# Altium PCB higgs.PcbDoc (part 20 of 25) (continued)
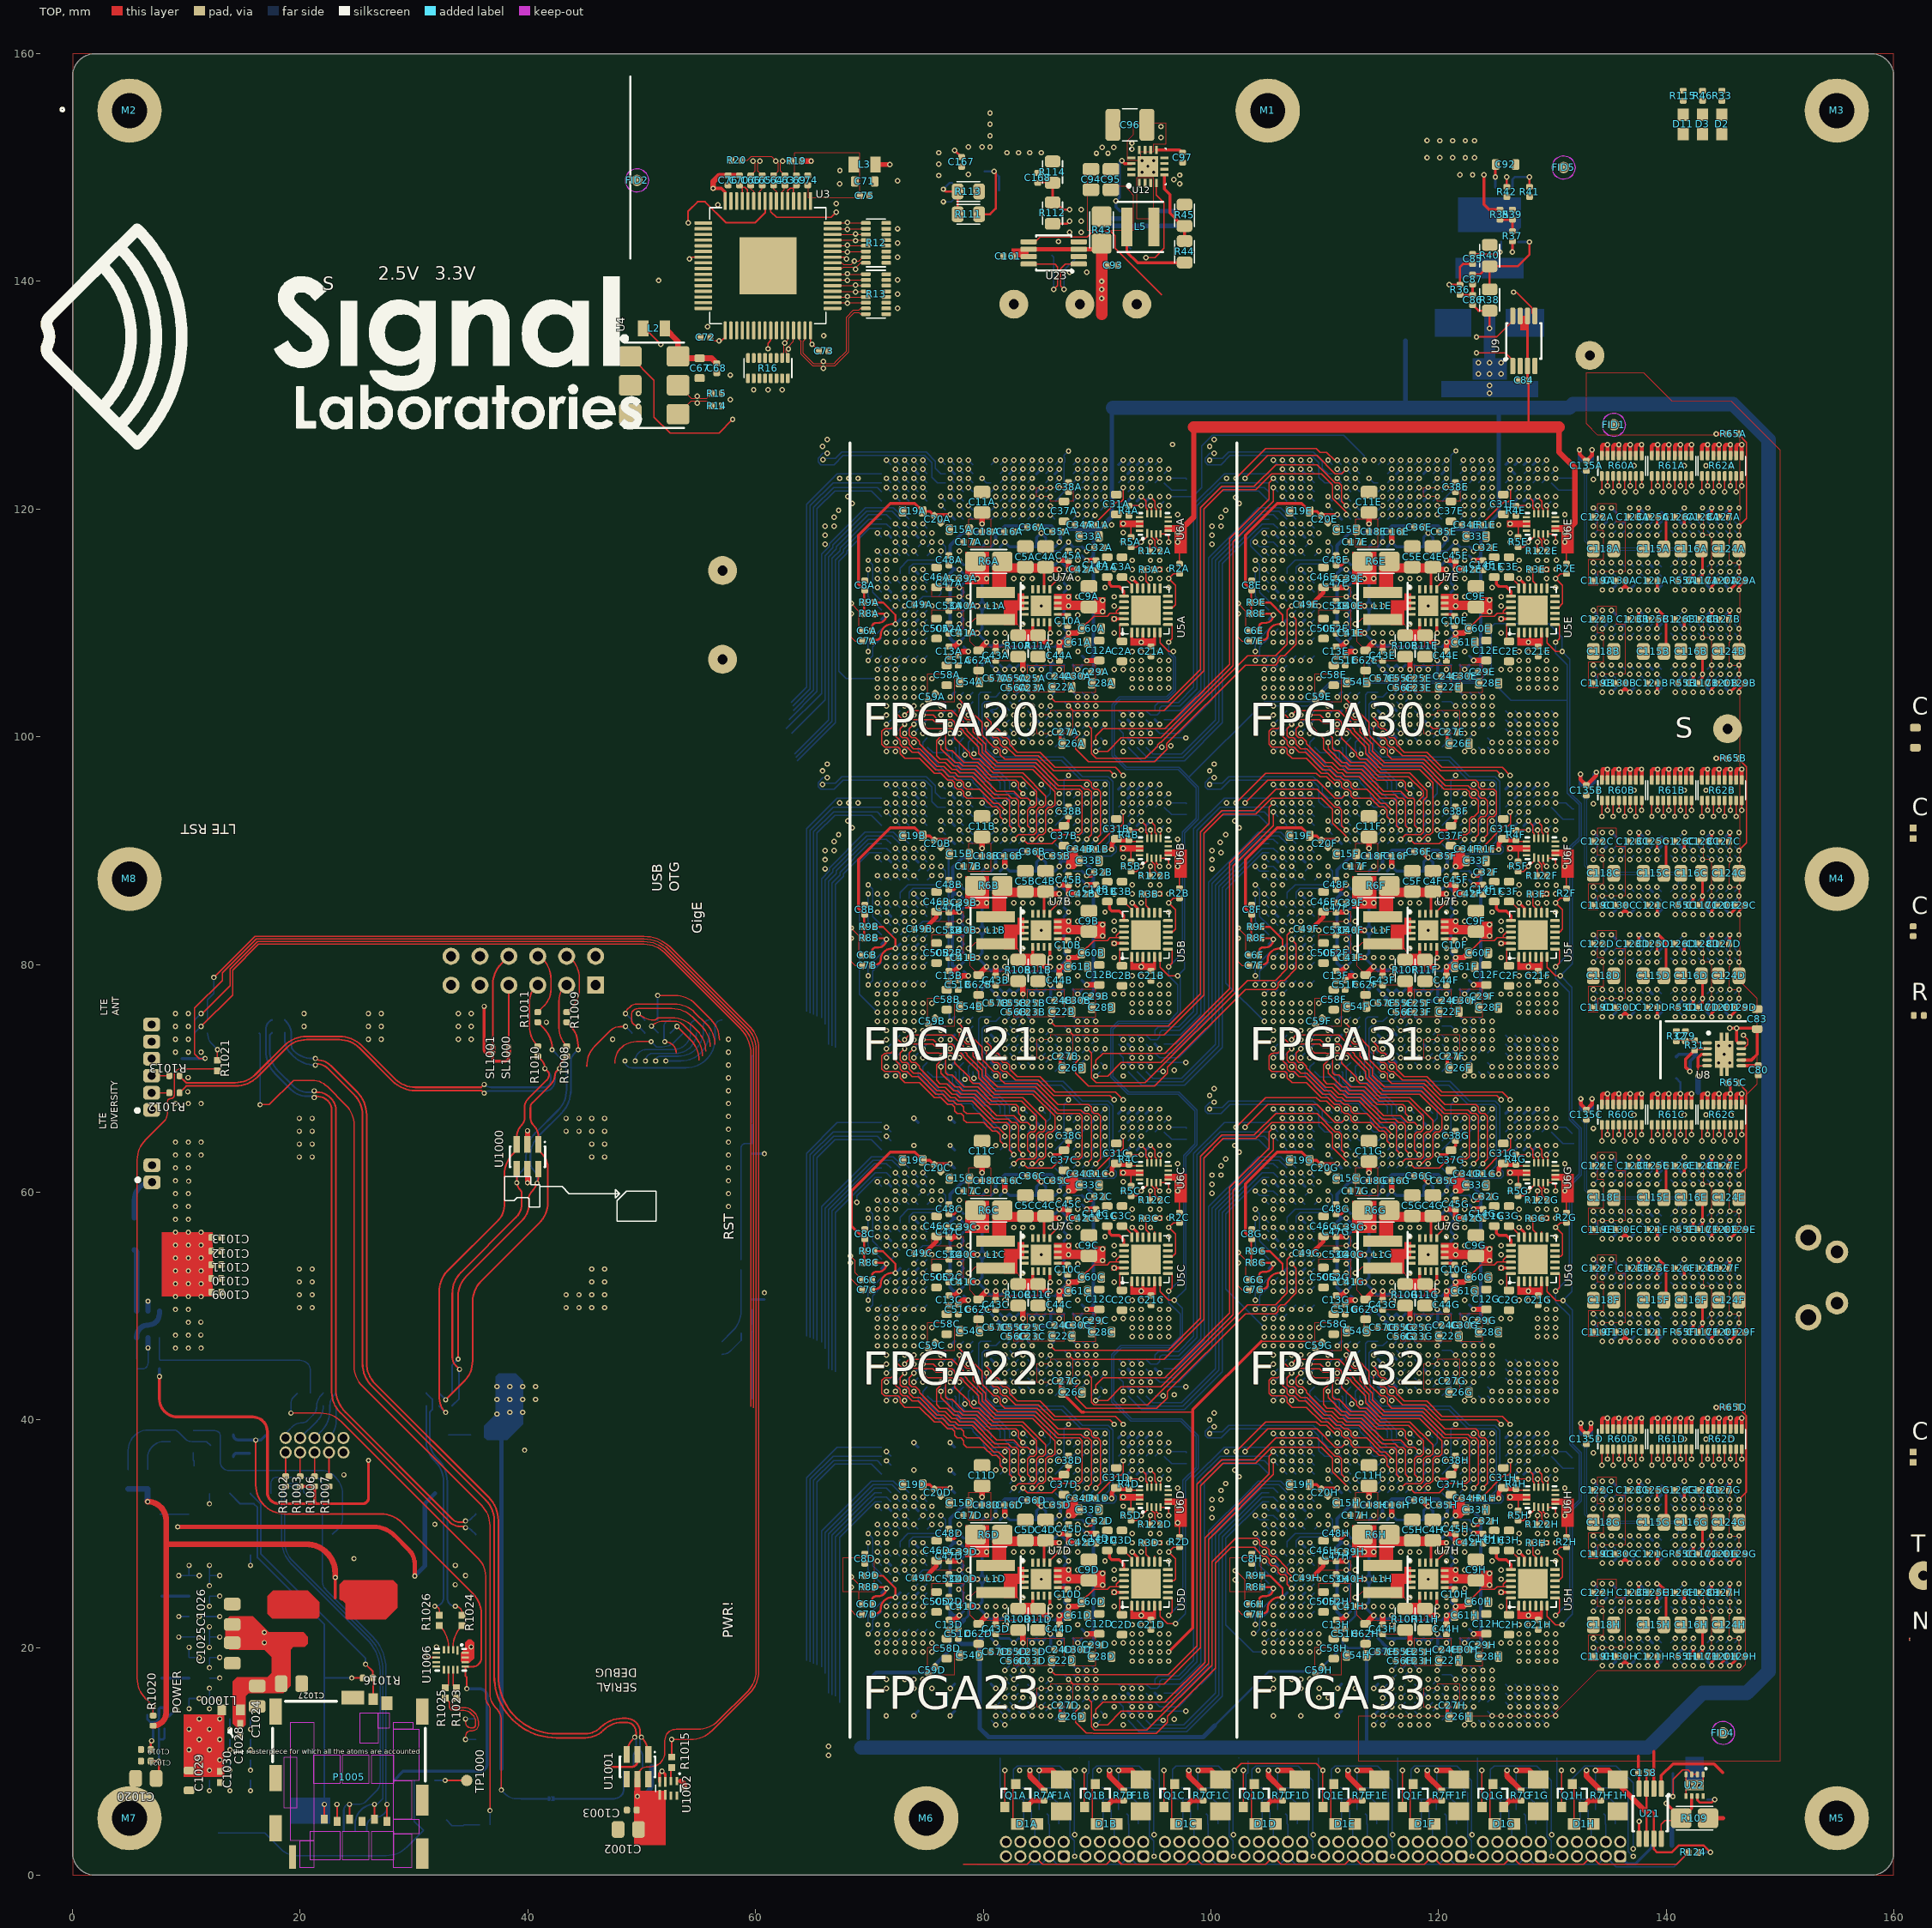
[diagram p0: TOP view]
## Nets (pads, with @x,y where several pads share a name; then routed paths per layer and width w, separated by ;. In a path a pad name is that pad's centre, name@x,y a point inside that pad or via, vN(x,y) a via of type N, cw(c..) or ccw(c..) an arc to the next point about the centre after c; other vN are vias at no path point) (continued)
  BOT w0.102: U1A.Y5@86.3,120.7 87.1,121.5 87.1,121.735 87.105,121.741 87.105,122.071 87.1,122.077 87.1,124.06 87.18,124.141 87.18,124.471 87.1,124.552 87.1,124.7 v1(87.5,125.1)
IL68_FPGA20.LR.G2.D2_N: U1A.W4 | length 0.6
  BOT w0.102: U1A.W4@85.5,121.5 85.881,121.881 v1(85.906,121.881)
IL68_FPGA20.LR.G2.D2_P: U1A.Y4 | length 0.6
  BOT w0.102: U1A.Y4@86.3,121.5 v1(86.706,121.906)
IL68_FPGA20.LR.G2.D3_N: U1A.AC6 | length 0.6
  BOT w0.102: U1A.AC6@88.7,119.9 v1(89.1,120.3)
IL68_FPGA20.LR.G2.D3_P: U1A.AB7 | length 0.6
  BOT w0.102: U1A.AB7@87.9,119.1 v1(88.3,119.5)
IL68_FPGA20.LR.G2.D4_N: U1A.AD7 | length 0.5
  BOT w0.102: U1A.AD7@89.5,119.1 v1(89.831,119.431)
IL68_FPGA20.LR.G2.D4_P: U1A.AC7 | length 0.6
  BOT w0.102: U1A.AC7@88.7,119.1 v1(89.1,119.5)
IL68_FPGA20.LR.G2.S_N: U1A.AB6 | length 0.6
  BOT w0.102: U1A.AB6@87.9,119.9 v1(88.3,120.3)
IL68_FPGA20.LR.G2.S_P: U1A.AB5 | length 0.6
  BOT w0.102: U1A.AB5@87.9,120.7 v1(88.3,121.1)
IL68_FPGA20.LR.G3.D0_N: U1A.AB4 | length 1.4
  BOT w0.102: U1A.AB4@87.9,121.5 88.3,121.9 v1(89.1,121.9)
IL68_FPGA20.LR.G3.D0_P: U1A.AB3 | length 0.6
  BOT w0.102: U1A.AB3@87.9,122.3 v1(88.3,122.7)
IL68_FPGA20.LR.G3.D1_N: U1A.AD4 | length 0.6
  BOT w0.102: U1A.AD4@89.5,121.5 v1(89.9,121.9)
IL68_FPGA20.LR.G3.D1_P: U1A.AC5 | length 0.6
  BOT w0.102: U1A.AC5@88.7,120.7 v1(89.1,121.1)
IL68_FPGA20.LR.G3.D2_N: U1A.Y1 | length 0.6
  BOT w0.102: U1A.Y1@86.3,123.9 86.706,124.306 v1(86.781,124.306)
IL68_FPGA20.LR.G3.D2_P: U1A.W2 | length 0.6
  BOT w0.102: U1A.W2@85.5,123.1 v1(85.9,123.5)
IL68_FPGA20.LR.G3.D3_N: U1A.AE3 | length 0.6
  BOT w0.102: U1A.AE3@90.3,122.3 v1(90.7,122.7)
IL68_FPGA20.LR.G3.D3_P: U1A.AD3 | length 0.6
  BOT w0.102: U1A.AD3@89.5,122.3 v1(89.9,122.7)
IL68_FPGA20.LR.G3.D4_N: U1A.AE2 | length 0.6
  BOT w0.102: U1A.AE2@90.3,123.1 v1(90.7,123.5)
IL68_FPGA20.LR.G3.D4_P: U1A.AC2 | length 0.6
  BOT w0.102: U1A.AC2@88.7,123.1 v1(89.1,123.5)
IL68_FPGA20.LR.G3.S_N: U1A.AB2 | length 0.6
  BOT w0.102: U1A.AB2@87.9,123.1 v1(88.3,123.5)
IL68_FPGA20.LR.G3.S_P: U1A.AC3 | length 0.6
  BOT w0.102: U1A.AC3@88.7,122.3 v1(89.1,122.7)
IL68_FPGA20.LR.VTT: C37A.2 C38A.2 U1A.V4
IL68_FPGA20.TB.G8.D0_N: U1A.AH1 | length 0.6
  BOT w0.254: U1A.AH1@92.7,123.9 v1(93.1,124.3)
IL68_FPGA20.TB.G8.D0_P: U1A.AG1 | length 0.6
  BOT w0.254: U1A.AG1@91.9,123.9 v1(92.3,124.3)
IL68_FPGA20.TB.G8.D1_N: U1A.AK1 | length 0.6
  BOT w0.254: U1A.AK1@94.3,123.9 v1(94.7,124.3)
IL68_FPGA20.TB.G8.D1_P: U1A.AJ1 | length 0.6
  BOT w0.254: U1A.AJ1@93.5,123.9 v1(93.9,124.3)
IL68_FPGA20.TB.G8.D2_N: U1A.AM2 | length 0.6
  BOT w0.102: U1A.AM2@95.9,123.1 v1(96.3,123.5)
IL68_FPGA20.TB.G8.D2_P: U1A.AL1 | length 0.6
  BOT w0.102: U1A.AL1@95.1,123.9 v1(95.5,124.3)
IL68_FPGA20.TB.G8.D3_N: U1A.AH3 | length 0.6
  BOT w0.102: U1A.AH3@92.7,122.3 v1(93.1,122.7)
IL68_FPGA20.TB.G8.D3_P: U1A.AG3 | length 0.6
  BOT w0.102: U1A.AG3@91.9,122.3 v1(92.3,122.7)
IL68_FPGA20.TB.G13.C_N: U1A.AE1 | length 0.6
  BOT w0.102: U1A.AE1@90.3,123.9 v1(90.7,124.3)
IL68_FPGA20.TB.G13.C_P: U1A.AD1 | length 0.6
  BOT w0.102: U1A.AD1@89.5,123.9 v1(89.9,124.3)
IL68_FPGA20.TB.G13.D0_N: U1A.U1 | length 0.6
  BOT w0.102: U1A.U1@83.9,123.9 v1(84.3,124.3)
IL68_FPGA20.TB.G13.D0_P: U1A.T1 | length 0.6
  BOT w0.102: U1A.T1@83.1,123.9 v1(83.5,124.3)
IL68_FPGA20.TB.G13.D1_N: U1A.W1 | length 0.6
  BOT w0.102: U1A.W1@85.5,123.9 v1(85.9,124.3)
IL68_FPGA20.TB.G13.D1_P: U1A.V1 | length 0.6
  BOT w0.102: U1A.V1@84.7,123.9 v1(85.1,124.3)
IL68_FPGA20.TB.G13.D2_N: U1A.AE6 | length 0.6
  BOT w0.102: U1A.AE6@90.3,119.9 v1(90.7,120.3)
IL68_FPGA20.TB.G13.D2_P: U1A.AD6 | length 0.6
  BOT w0.102: U1A.AD6@89.5,119.9 v1(89.9,120.3)
IL68_FPGA20.TB.G13.D3_N: U1A.AE4 | length 0.6
  BOT w0.102: U1A.AE4@90.3,121.5 v1(90.7,121.9)
IL68_FPGA20.TB.G13.D3_P: U1A.AE5 | length 0.6
  BOT w0.102: U1A.AE5@90.3,120.7 v1(90.7,121.1)
IL68_FPGA20.TB.G13.D4_N: U1A.AC1 | length 0.6
  BOT w0.102: U1A.AC1@88.7,123.9 v1(89.1,124.3)
IL68_FPGA20.TB.G13.D4_P: U1A.AB1 | length 0.6
  BOT w0.102: U1A.AB1@87.9,123.9 v1(88.3,124.3)
IL68_FPGA20.TB.G13.D5_N: U1A.V7 | length 0.6
  BOT w0.102: U1A.V7@84.7,119.1 v1(85.1,119.5)
IL68_FPGA20.TB.G13.D5_P: U1A.V6 | length 0.6
  BOT w0.102: U1A.V6@84.7,119.9 v1(85.1,120.3)
IL68_FPGA20.TB.G13.D6: U1A.U4 | length 0.6
  BOT w0.102: U1A.U4@83.9,121.5 v1(84.3,121.9)
IL68_FPGA20.VIOLR: C33A.2 C34A.2 C35A.2 C36A.2 U1A.AA10 U1A.U10 U1A.V10 U1A.W10
IL68_FPGA20.VIOTB: C31A.2 C32A.2 R1A.2 R4A.2 U1A.AB10 U1A.AC10 U6A.13
IMIB135.S0: U1A.A10 U1B.A10 U1C.A10 U1D.A10 U1E.E16 U1F.E16 U1G.E16 U1H.E16
IMIB135.S1: U1A.B10 U1B.B10 U1C.B10 U1D.B10 U1E.F10 U1F.F10 U1G.F10 U1H.F10
IMIB135.S2: U1A.E11 U1B.E11 U1C.E11 U1D.E11 U1E.B11 U1F.B11 U1G.B11 U1H.B11 | length 245
  S4(VDDR) w0.102: v1(73.9,116.3) 74.299,115.901 74.299,88.199 v1(73.9,87.8) 74.299,87.401 74.299,59.699 v1(73.9,59.3) 74.299,58.901 74.299,31.199 v1(73.9,30.8) 74.299,30.401 74.299,26.326 76.575,24.05 76.575,22.606 79.94,19.241 82.615,19.241 83.226,18.629 86.635,18.629 87.899,17.365 87.899,17.036 88.135,16.801 88.675,16.801 95.71,16.801 105.31,26.401 105.665,26.401 105.899,26.635 105.899,26.899 ; 104.7,133.477 104.7,127.561 105.899,126.362 105.899,116.699 v1(105.5,116.3) 105.899,115.901 105.899,88.199 v1(105.5,87.8) 105.899,87.401 105.899,59.699 v1(105.5,59.3) 105.899,58.901 105.899,31.199 v1(105.5,30.8) 105.9,30.4 105.9,26.9
  BOT w0.102: v1(73.9,30.8) U1D.E11@74.3,30.4 ; v1(73.9,59.3) U1C.E11@74.3,58.9 ; v1(73.9,87.8) U1B.E11@74.3,87.4 ; v1(73.9,116.3) U1A.E11@74.3,115.9 ; v1(105.5,30.8) U1H.B11@105.9,30.4 ; v1(105.5,59.3) U1G.B11@105.9,58.9 ; v1(105.5,87.8) U1F.B11@105.9,87.4 ; v1(105.5,116.3) U1E.B11@105.9,115.9
IMIB135.S3: U1A.F11 U1B.F11 U1C.F11 U1D.F11 U1E.A14 U1F.A14 U1G.A14 U1H.A14 | length 237
  S3(V12/V2V5) w0.102: v1(75.5,116.3) 75.9,115.9 75.9,88.2 v1(75.5,87.8) 75.9,87.4 75.9,59.7 v1(75.5,59.3) 75.9,58.9 75.9,31.2 v1(75.5,30.8) 75.899,30.401 75.899,26.24 75.936,26.203 75.936,25.894 80.841,20.99 81.344,20.99 81.69,20.644 81.69,20.491 82.981,19.2 84.3,19.2 ; 84.3,19.201 97.235,19.201 104.2,26.166 104.2,27.9 v1(104.7,28.4) 104.301,28.799 104.301,56.501 v1(104.7,56.9) 104.301,57.299 104.301,85.001 v1(104.7,85.4) 104.301,85.799 104.301,113.501 v1(104.7,113.9) 104.301,114.299 104.301,126.632 ; 100.7,130.231 104.299,126.632
  BOT w0.102: U1D.F11@75.1,30.4 v1(75.5,30.8) ; U1C.F11@75.1,58.9 v1(75.5,59.3) ; U1B.F11@75.1,87.4 v1(75.5,87.8) ; U1A.F11@75.1,115.9 v1(75.5,116.3) ; v1(104.7,28.4) U1H.A14@105.1,28 ; v1(104.7,56.9) U1G.A14@105.1,56.5 ; v1(104.7,85.4) U1F.A14@105.1,85 ; v1(104.7,113.9) U1E.A14@105.1,113.5
IMIB135.S4: U1A.E10 U1B.E10 U1C.E10 U1D.E10 U1E.A15 U1F.A15 U1G.A15 U1H.A15 | length 289.2
  S1(V) w0.102: v1(74.7,31.602) v1(74.7,31.602) ; v1@74.7,60.1 v1@74.701,60.101 ; v1@74.7,117.1 74.701,117.101 75.1,116.702 75.1,109.8 ; 75.099,52.799 75.099,52.735 74.864,52.5 70.087,52.5 68.334,50.747 68.334,40.752 70.834,38.251 70.834,37.301 71.336,36.799 71.665,36.799 71.901,36.564 71.901,36.235 72.135,36.001 72.464,36.001 72.701,35.764 72.701,35.435 72.935,35.201 73.264,35.201 75.1,33.364 75.1,32 v1(74.7,31.602) ; 75.099,59.703 v1@74.701,60.101 ; 75.099,81.299 75.099,81.235 74.864,81 70.087,81 68.334,79.247 68.334,69.252 70.834,66.751 70.834,65.801 71.336,65.299 71.665,65.299 71.901,65.064 71.901,64.735 72.135,64.501 72.464,64.501 72.701,64.264 72.701,63.935 72.935,63.701 73.264,63.701 75.1,61.864 75.1,60.5 v1@74.701,60.101 ; 75.099,88.203 v1(74.7,88.602) ; 75.099,109.799 75.099,109.735 74.864,109.5 70.087,109.5 68.334,107.747 68.334,97.752 70.834,95.251 70.834,94.301 71.336,93.799 71.665,93.799 71.901,93.564 71.901,93.235 72.135,93.001 72.464,93.001 72.701,92.764 72.701,92.435 72.935,92.201 73.264,92.201 75.1,90.364 75.1,89 ; 75.1,52.8 75.1,59.702 ; 75.1,81.3 75.1,88.202 v1(74.7,88.602) ; 101.5,129.862 105.101,126.261 105.101,113.501 ; 105.099,55.701 105.099,54.859 101.381,51.141 101.381,40.358 103.882,37.857 103.882,35.652 105.099,34.435 105.099,33.2 105.099,27.999 v1(104.7,27.6) 104.7,26.269 100.786,22.355 100.786,21.016 97.084,17.314 95.379,17.314 94.064,15.999 93.735,15.999 93.499,15.764 93.499,15.435 93.264,15.199 92.935,15.199 89.669,11.934 81.25,11.934 79.709,13.475 79.709,22.827 79.101,23.435 79.101,24.924 78.15,25.875 76.969,25.875 75.119,27.725 75.099,27.725 75.099,31.203 v1(74.7,31.602) ; 105.099,113.499 v1(104.7,113.1) 105.099,112.701 105.099,111.859 101.381,108.141 101.381,97.358 103.882,94.857 103.882,92.652 105.099,91.435 105.099,90.2 105.099,84.999 ; 105.1,55.7 v1(104.7,56.1) 105.099,56.499 105.099,61.7 105.099,62.935 103.882,64.152 103.882,66.357 101.381,68.858 101.381,79.641 105.099,83.359 105.099,84.201 ; v1(74.7,88.602) 75.1,89 ; v1(74.7,88.602) 74.7,88.6 v1(74.7,88.602) ; v1(74.7,88.602) 75.1,89 ; v1(104.7,84.6) 105.099,84.201 ; v1(104.7,84.6) 105.099,84.999 ; v1(104.7,84.6) 105.099,84.201 ; v1(104.7,84.6) 105.099,84.999
  BOT w0.102: U1D.E10@74.3,31.202 v1(74.7,31.602) ; U1C.E10@74.3,59.7 v1(74.7,60.102) ; U1B.E10@74.3,88.202 v1(74.7,88.602) ; U1A.E10@74.3,116.702 v1(74.7,117.102) ; v1(104.7,27.6) U1H.A15@105.1,27.2 ; v1(104.7,56.1) U1G.A15@105.1,55.7 ; v1(104.7,84.6) U1F.A15@105.1,84.2 ; v1(104.7,113.1) U1E.A15@105.1,112.7
IMIB135.S5: U1A.F10 U1B.F10 U1C.F10 U1D.F10 U1E.B10 U1F.B10 U1G.B10 U1H.B10 | length 293.8
  S1(V) w0.102: v1(75.5,117.1) 75.9,116.7 75.9,109.736 74.865,108.701 69.557,108.701 68.524,107.668 68.524,97.831 71.101,95.254 71.101,94.835 71.335,94.601 71.664,94.601 71.901,94.364 71.901,94.035 72.136,93.799 72.465,93.799 72.701,93.564 72.701,93.235 72.936,92.999 73.265,92.999 73.499,92.765 73.499,92.235 75.9,89.834 75.9,89 ; 75.899,59.701 v1(75.5,60.1) 75.9,60.5 75.9,61.334 73.499,63.735 73.499,64.265 73.265,64.499 72.936,64.499 72.701,64.735 72.701,65.064 72.465,65.299 72.136,65.299 71.901,65.535 71.901,65.864 71.664,66.101 71.335,66.101 71.101,66.335 71.101,66.754 68.524,69.331 68.524,79.168 69.557,80.201 74.865,80.201 75.9,81.236 75.9,88.2 v1(75.5,88.6) ; 75.899,88.201 v1(75.5,88.6) ; 75.9,59.7 75.9,52.736 74.865,51.701 69.557,51.701 68.524,50.668 68.524,40.831 71.101,38.254 71.101,37.835 71.335,37.601 71.664,37.601 71.901,37.364 71.901,37.035 72.136,36.799 72.465,36.799 72.701,36.564 72.701,36.235 72.936,35.999 73.265,35.999 73.499,35.765 73.499,35.235 75.9,32.834 75.9,32 v1(75.5,31.6) 75.899,31.201 75.899,27.701 77.2,26.4 79.664,26.4 79.899,26.165 79.899,13.554 81.329,12.124 89.388,12.124 92.699,15.435 92.699,15.764 92.935,15.999 93.264,15.999 93.501,16.236 93.501,16.565 94.44,17.505 97.005,17.505 100.595,21.095 100.595,22.57 104.301,26.276 104.301,31.201 v1(104.7,31.6) 104.301,31.999 104.301,34.964 103.691,35.573 103.691,37.778 101.191,40.279 101.191,51.22 104.301,54.331 104.301,59.701 v1(104.7,60.1) 104.301,60.499 104.301,63.464 103.691,64.073 103.691,66.278 101.191,68.779 101.191,79.72 104.301,82.831 104.301,88.201 ; 100.7,130.231 104.301,126.63 104.301,117.499 v1(104.7,117.1) 104.301,116.701 104.301,111.331 101.191,108.22 101.191,97.279 103.691,94.778 103.691,92.573 104.301,91.964 104.301,88.999 ; v1(75.5,88.6) 75.9,89 ; v1(75.5,88.6) 75.9,89 ; 104.301,88.201 v1(104.7,88.6) ; 104.301,88.201 v1(104.7,88.6) ; 104.301,88.999 v1(104.7,88.6) ; 104.301,88.999 v1(104.7,88.6)
  BOT w0.102: U1D.F10@75.1,31.2 v1(75.5,31.6) ; U1C.F10@75.1,59.7 v1(75.5,60.1) ; U1B.F10@75.1,88.2 v1(75.5,88.6) ; U1A.F10@75.1,116.7 v1(75.5,117.1) ; v1(104.7,31.6) 105.5,31.6 U1H.B10@105.9,31.2 ; v1(104.7,60.1) 105.5,60.1 U1G.B10@105.9,59.7 ; v1(104.7,88.6) 105.5,88.6 U1F.B10@105.9,88.2 ; v1(104.7,117.1) 105.5,117.1 U1E.B10@105.9,116.7
IMIB135.S6: U1A.A11 U1B.A11 U1C.A11 U1D.A11 U1E.F15 U1F.F15 U1G.F15 U1H.F15 | length 255.9
  S4(VDDR) w0.102: v1(70.7,116.3) 71.1,115.9 71.1,88.2 v1(70.7,87.8) 71.1,87.4 71.1,59.7 v1(70.7,59.3) 71.1,58.9 71.1,31.2 v1(70.7,30.8) 71.099,30.401 71.099,26.176 72.701,24.574 72.701,24.235 72.935,24.001 73.264,24.001 73.501,23.764 73.501,23.435 73.695,23.241 73.726,23.241 73.74,23.227 74.065,23.227 74.301,22.991 74.301,22.635 74.535,22.401 75.402,22.401 79.404,18.399 81.265,18.399 81.499,18.165 81.499,17.836 81.735,17.601 82.174,17.601 82.301,17.474 82.301,17.035 82.535,16.801 82.675,16.801 ; 82.675,16.8 82.871,16.8 83.105,16.566 83.105,16.237 83.341,16.002 86.063,16.002 86.301,15.764 86.301,15.435 88.135,13.601 94.865,13.601 95.099,13.835 95.099,14.096 96.28,15.277 96.28,16.293 103.986,23.999 106.464,23.999 106.701,24.236 106.701,24.565 106.936,24.801 107.265,24.801 107.501,25.036 107.501,25.365 108.7,26.564 v1(108.7,27.6) 109.099,27.999 109.099,55.701 v1(108.7,56.1) 109.099,56.499 109.099,84.201 v1(108.7,84.6) 109.099,84.999 109.099,112.701 v1(108.7,113.1) 109.099,113.499 109.099,125.731 107.9,126.931 107.9,134.3
  BOT w0.102: v1(70.7,30.8) U1D.A11@71.1,30.4 ; v1(70.7,59.3) U1C.A11@71.1,58.9 ; v1(70.7,87.8) U1B.A11@71.1,87.4 ; v1(70.7,116.3) U1A.A11@71.1,115.9 ; v1(108.7,27.6) U1H.F15@109.1,27.2 ; v1(108.7,56.1) U1G.F15@109.1,55.7 ; v1(108.7,84.6) U1F.F15@109.1,84.2 ; v1(108.7,113.1) U1E.F15@109.1,112.7
IMIB135.S7: U1A.B11 U1B.B11 U1C.B11 U1D.B11 U1E.E11 U1F.E11 U1G.E11 U1H.E11 | length 252.8
  S4(VDDR) w0.102: v1(71.5,116.3) 71.899,115.901 71.899,88.199 v1(71.5,87.8) 71.899,87.401 71.899,59.699 v1(71.5,59.3) 71.899,58.901 71.899,31.199 v1(71.5,30.8) 71.9,30.4 71.9,25.836 72.935,24.801 73.264,24.801 73.501,24.564 73.501,24.235 73.71,24.026 74.07,24.026 74.305,23.791 74.305,23.461 74.301,23.457 74.301,23.435 74.536,23.199 74.874,23.199 79.463,18.61 81.855,18.61 82.301,18.164 82.301,17.835 82.535,17.601 82.864,17.601 83.101,17.364 83.101,17.035 83.336,16.8 86.071,16.8 86.305,16.566 86.305,16.237 86.541,16.002 86.863,16.002 87.101,15.764 87.101,15.435 88.135,14.401 88.55,14.401 95.135,14.401 96.09,15.356 96.09,16.372 104.518,24.801 105.935,24.801 106.733,25.599 107.264,25.599 108.299,26.635 108.299,26.965 108.299,30.401 v1(107.9,30.8) 108.299,31.199 108.299,58.901 v1(107.9,59.3) 108.299,59.699 108.299,87.401 v1(107.9,87.8) 108.299,88.199 108.299,115.901 v1(107.9,116.3) 108.3,116.7 108.3,125.3 107.1,126.5 107.1,133.5
  BOT w0.102: v1(71.5,30.8) U1D.B11@71.9,30.4 ; v1(71.5,59.3) U1C.B11@71.9,58.9 ; v1(71.5,87.8) U1B.B11@71.9,87.4 ; v1(71.5,116.3) U1A.B11@71.9,115.9 ; v1(107.9,30.8) U1H.E11@108.3,30.4 ; v1(107.9,59.3) U1G.E11@108.3,58.9 ; v1(107.9,87.8) U1F.E11@108.3,87.4 ; v1(107.9,116.3) U1E.E11@108.3,115.9
IMIB135.S8: U1A.D13 U1B.D13 U1C.D13 U1D.D13 U1E.A16 U1F.A16 U1G.A16 U1H.A16 | length 276.8
  S4(VDDR) w0.102: v1(76.3,117.1) 76.7,116.7 76.7,89 v1(76.3,88.6) 76.7,88.2 76.7,60.5 v1(76.3,60.1) 76.7,59.7 76.7,32 v1(76.3,31.6) 77.166,30.735 77.166,22.885 78,22.05 79.25,22.05 80.701,20.599 80.701,20.235 81.095,19.841 83.179,19.841 83.819,19.201 97.302,19.201 103.501,25.4 103.501,29.601 v1(103.9,30) 103.501,30.399 103.501,58.101 v1(103.9,58.5) 103.501,58.899 103.501,86.601 v1(103.9,87) 103.501,87.399 103.501,115.101 v1(103.9,115.5) 103.5,115.9 103.5,127.953 102.3,129.153 102.3,135.1
  BOT w0.102: U1D.D13@73.5,28.8 73.501,28.801 73.501,29.365 73.831,29.695 76.192,29.695 76.699,30.203 76.699,31.201 v1(76.3,31.6) ; U1C.D13@73.5,57.3 U1C.D13@73.5,57.3 73.501,57.865 73.831,58.195 76.192,58.195 76.699,58.703 76.699,59.701 v1(76.3,60.1) ; U1B.D13@73.5,85.8 U1B.D13@73.5,85.8 73.501,86.365 73.831,86.695 76.192,86.695 76.699,87.203 76.699,88.201 v1(76.3,88.6) ; U1A.D13@73.5,114.3 U1A.D13@73.5,114.3 73.501,114.865 73.831,115.195 76.192,115.195 76.699,115.703 76.699,116.701 v1(76.3,117.1) ; v1(103.9,30) 104.3,29.6 104.3,27.2 U1H.A16@105.1,26.4 ; v1(103.9,58.5) 104.3,58.1 104.3,55.7 U1G.A16@105.1,54.9 ; v1(103.9,87) 104.3,86.6 104.3,84.2 U1F.A16@105.1,83.4 ; v1(103.9,115.5) 104.3,115.1 104.3,112.7 U1E.A16@105.1,111.9
IMIB135.S9: U1A.F13 U1B.F13 U1C.F13 U1D.F13 U1E.B14 U1F.B14 U1G.B14 U1H.B14 | length 237.7
  S3(V12/V2V5) w0.102: v1(74.7,114.7) 75.1,114.3 75.1,86.6 v1(74.7,86.2) 75.1,85.8 75.1,58.1 v1(74.7,57.7) 75.1,57.3 75.1,29.6 v1(74.7,29.2) 75.101,28.799 75.101,25.909 75.409,25.601 75.96,25.601 80.762,20.799 81.265,20.799 81.499,20.565 81.499,20.412 83.51,18.401 83.524,18.401 ; 83.575,18.399 83.526,18.399 83.524,18.401 ; 101.1,130.298 105.099,126.299 ; 105.1,126.299 105.1,114.3 v1(105.5,113.9) 105.101,113.501 105.101,85.799 v1(105.5,85.4) 105.101,85.001 105.101,57.299 v1(105.5,56.9) 105.101,56.501 105.101,28.799 v1(105.5,28.4) 105.101,28.001 105.101,26.731 96.771,18.401 83.524,18.401
  BOT w0.102: v1(74.7,29.2) U1D.F13@75.1,28.8 ; v1(74.7,57.7) U1C.F13@75.1,57.3 ; v1(74.7,86.2) U1B.F13@75.1,85.8 ; v1(74.7,114.7) U1A.F13@75.1,114.3 ; v1(105.5,28.4) U1H.B14@105.9,28 ; v1(105.5,56.9) U1G.B14@105.9,56.5 ; v1(105.5,85.4) U1F.B14@105.9,85 ; v1(105.5,113.9) U1E.B14@105.9,113.5
IMIB135.S10: U1A.A13 U1B.A13 U1C.A13 U1D.A13 U1E.F16 U1F.F16 U1G.F16 U1H.F16 | length 257.1
  S4(VDDR) w0.102: v1(70.7,114.7) 70.301,114.301 70.301,86.599 v1(70.7,86.2) 70.301,85.801 70.301,58.099 v1(70.7,57.7) 70.301,57.301 70.301,29.599 v1(70.7,29.2) 70.301,28.801 70.301,25.835 72.135,24.001 72.464,24.001 72.701,23.764 72.701,23.435 72.935,23.201 73.264,23.201 73.501,22.964 73.501,22.635 73.936,22.2 75.334,22.2 79.935,17.599 81.272,17.599 81.499,17.372 81.499,16.876 81.575,16.8 82.071,16.8 82.305,16.566 82.305,16.237 82.541,16.002 82.863,16.002 83.101,15.764 83.101,15.435 83.335,15.201 86.265,15.201 88.665,12.801 94.335,12.801 95.29,13.756 95.29,14.017 96.478,15.205 96.478,16.222 103.457,23.201 107.265,23.201 107.499,23.435 107.499,23.764 107.736,24.001 108.065,24.001 108.299,24.235 108.299,24.564 108.536,24.801 108.871,24.801 109.106,25.036 109.106,25.367 109.099,25.374 109.099,25.599 109.899,26.399 109.899,54.101 v1(109.5,54.5) 109.899,54.899 109.899,82.601 v1(109.5,83) 109.899,83.399 109.899,111.101 v1(109.5,111.5) 109.9,111.9 109.9,125.2 108.7,126.4 108.7,134.3
  BOT w0.102: v1(70.7,29.2) U1D.A13@71.1,28.8 ; v1(70.7,57.7) U1C.A13@71.1,57.3 ; v1(70.7,86.2) U1B.A13@71.1,85.8 ; v1(70.7,114.7) U1A.A13@71.1,114.3 ; U1H.F16@109.1,26.4 v1(109.5,26) ; U1G.F16@109.1,54.9 v1(109.5,54.5) ; U1F.F16@109.1,83.4 v1(109.5,83) ; U1E.F16@109.1,111.9 v1(109.5,111.5)
IMIB135.S11: U1A.C13 U1B.C13 U1C.C13 U1D.C13 U1E.A17 U1F.A17 U1G.A17 U1H.A17 | length 267.3
  S3(V12/V2V5) w0.102: v1(76.3,116.3) 76.699,115.901 76.699,88.199 v1(76.3,87.8) 76.699,87.401 76.699,59.699 v1(76.3,59.3) 76.699,58.901 76.699,31.199 v1(76.3,30.8) 76.699,30.401 76.699,25.401 80.92,21.18 81.423,21.18 81.88,20.723 81.88,20.57 82.449,20.001 97.765,20.001 103.9,26.136 v1(103.9,29.2) 103.501,29.599 103.501,57.301 v1(103.9,57.7) 103.501,58.099 103.501,85.801 v1(103.9,86.2) 103.501,86.599 103.501,114.301 v1(103.9,114.7) 103.501,115.099 103.501,126.999 100.3,130.2
  BOT w0.102: U1D.C13@72.7,28.8 72.7,29.3 73.4,30 76.065,30 76.3,30.235 v1(76.3,30.8) ; U1C.C13@72.7,57.3 72.7,57.8 73.4,58.5 76.065,58.5 76.3,58.735 v1(76.3,59.3) ; U1B.C13@72.7,85.8 72.7,86.3 73.4,87 76.065,87 76.3,87.235 v1(76.3,87.8) ; U1A.C13@72.7,114.3 72.7,114.8 73.4,115.5 76.065,115.5 76.3,115.735 v1(76.3,116.3) ; v1(103.9,29.2) 103.9,26.8 U1H.A17@105.1,25.6 ; v1(103.9,57.7) 103.9,55.3 U1G.A17@105.1,54.1 ; v1(103.9,86.2) 103.9,83.8 U1F.A17@105.1,82.6 ; v1(103.9,114.7) 103.9,112.3 U1E.A17@105.1,111.1
IMIB135.S12: U1A.E14 U1B.E14 U1C.E14 U1D.E14 U1E.D14 U1F.D14 U1G.D14 U1H.D14 | length 241.5
  S3(V12/V2V5) w0.102: v1(73.9,113.9) 73.501,113.501 73.501,85.799 v1(73.9,85.4) 73.501,85.001 73.501,57.299 v1(73.9,56.9) 73.501,56.501 73.501,28.799 v1(73.9,28.4) 73.501,28.001 73.501,26.635 74.536,25.599 74.539,25.599 74.54,25.6 74.871,25.6 75.105,25.367 75.105,25.36 77.325,23.139 77.325,22.7 ; 77.313,22.688 78.401,21.599 78.865,21.599 82.301,18.164 82.301,17.835 82.535,17.601 82.864,17.601 83.101,17.364 83.101,17.035 83.335,16.801 83.499,16.801 96.335,16.801 105.935,26.401 106.465,26.401 106.699,26.635 106.699,26.999 ; 102.3,129.996 106.699,125.597 ; 106.7,27 106.7,28 v1(107.1,28.4) 106.7,28.8 106.7,56.5 v1(107.1,56.9) 106.7,57.3 106.7,85 v1(107.1,85.4) 106.7,85.8 106.7,113.5 v1(107.1,113.9) 106.7,114.3 106.7,125.597
  BOT w0.102: v1(73.9,28.4) U1D.E14@74.3,28 ; v1(73.9,56.9) U1C.E14@74.3,56.5 ; v1(73.9,85.4) U1B.E14@74.3,85 ; v1(73.9,113.9) U1A.E14@74.3,113.5 ; v1(107.1,28.4) U1H.D14@107.5,28 ; v1(107.1,56.9) U1G.D14@107.5,56.5 ; v1(107.1,85.4) U1F.D14@107.5,85 ; v1(107.1,113.9) U1E.D14@107.5,113.5
IMIB135.S13: U1A.F14 U1B.F14 U1C.F14 U1D.F14 U1E.C14 U1F.C14 U1G.C14 U1H.C14 | length 239.4
  S3(V12/V2V5) w0.102: v1(74.7,113.9) 74.301,113.501 74.301,85.799 v1(74.7,85.4) 74.301,85.001 74.301,57.299 v1(74.7,56.9) 74.301,56.501 74.301,28.799 v1(74.7,28.4) 74.301,28.001 74.301,26.44 75.295,25.445 75.295,25.439 75.323,25.41 75.881,25.41 80.701,20.591 80.701,20.235 82.536,18.399 82.865,18.399 83.099,18.165 83.099,17.836 83.325,17.611 83.325,17.601 ; 83.305,17.57 83.325,17.589 83.325,17.601 ; 101.5,130.329 105.899,125.93 105.899,114.301 v1(106.3,113.9) 105.901,113.501 105.901,85.799 v1(106.3,85.4) 105.901,85.001 105.901,57.299 v1(106.3,56.9) 105.901,56.501 105.901,28.799 v1(106.3,28.4) 105.9,28 105.9,26.636 96.865,17.601 83.325,17.601
  BOT w0.102: v1(74.7,28.4) U1D.F14@75.1,28 ; v1(74.7,56.9) U1C.F14@75.1,56.5 ; v1(74.7,85.4) U1B.F14@75.1,85 ; v1(74.7,113.9) U1A.F14@75.1,113.5 ; v1(106.3,28.4) U1H.C14@106.7,28 ; v1(106.3,56.9) U1G.C14@106.7,56.5 ; v1(106.3,85.4) U1F.C14@106.7,85 ; v1(106.3,113.9) U1E.C14@106.7,113.5
IMIB135.S14: U1A.C14 U1B.C14 U1C.C14 U1D.C14 U1E.F14 U1F.F14 U1G.F14 U1H.F14 | length 247.1
  S3(V12/V2V5) w0.102: v1(72.3,113.9) 71.901,113.501 71.901,85.799 v1(72.3,85.4) 71.901,85.001 71.901,57.299 v1(72.3,56.9) 71.901,56.501 71.901,28.799 v1(72.3,28.4) 71.9,28 71.9,26.625 71.911,26.625 72.136,26.399 72.465,26.399 72.701,26.164 72.701,25.835 72.936,25.599 73.265,25.599 73.501,25.364 73.501,25.035 73.711,24.824 74.065,24.824 74.301,24.589 74.301,24.235 74.536,23.999 74.539,23.999 74.54,24 74.871,24 75.105,23.766 75.105,23.57 76.45,22.225 76.575,22.225 ; 76.575,22.25 76.708,22.25 80.701,18.257 80.701,17.835 80.936,17.599 81.272,17.599 81.499,17.372 81.499,16.876 81.575,16.8 82.071,16.8 82.305,16.566 82.305,16.231 82.536,15.999 82.865,15.999 83.101,15.764 83.101,15.435 83.335,15.201 83.6,15.201 96.335,15.201 103.31,22.177 103.31,22.263 103.663,22.616 103.75,22.616 106.734,25.6 107.264,25.6 108.301,26.636 108.301,28.001 v1(108.7,28.4) 108.301,28.799 108.301,56.501 v1(108.7,56.9) 108.301,57.299 108.301,85.001 v1(108.7,85.4) 108.301,85.799 108.301,113.501 v1(108.7,113.9) 108.301,114.299 108.301,125.701 ; 103.9,130.1 108.299,125.701
  BOT w0.102: v1(72.3,28.4) U1D.C14@72.7,28 ; v1(72.3,56.9) U1C.C14@72.7,56.5 ; v1(72.3,85.4) U1B.C14@72.7,85 ; v1(72.3,113.9) U1A.C14@72.7,113.5 ; v1(108.7,28.4) U1H.F14@109.1,28 ; v1(108.7,56.9) U1G.F14@109.1,56.5 ; v1(108.7,85.4) U1F.F14@109.1,85 ; v1(108.7,113.9) U1E.F14@109.1,113.5
IMIB135.S15: U1A.D14 U1B.D14 U1C.D14 U1D.D14 U1E.E14 U1F.E14 U1G.E14 U1H.E14 | length 245.5
  S3(V12/V2V5) w0.102: v1(73.1,113.9) 72.7,113.5 72.7,85.8 v1(73.1,85.4) 72.7,85 72.7,57.3 v1(73.1,56.9) 72.7,56.5 72.7,28.8 v1(73.1,28.4) 72.7,28 72.7,26.55 72.849,26.401 73.295,26.401 74.305,25.392 74.305,25.061 74.301,25.057 74.301,25.035 74.536,24.799 74.865,24.799 75.099,24.565 75.099,24.251 76.475,22.875 ; 76.488,22.888 78.301,21.074 78.301,21.035 80.936,18.399 81.265,18.399 81.501,18.164 81.501,17.835 81.735,17.601 82.199,17.601 82.301,17.499 82.301,17.035 82.536,16.799 82.54,16.799 ; 82.541,16.8 82.871,16.8 83.105,16.566 83.105,16.231 83.336,15.999 83.525,15.999 ; 83.525,16.001 96.865,16.001 103.12,22.255 103.12,22.342 103.584,22.806 103.671,22.806 106.699,25.835 106.699,26.164 106.936,26.401 107.265,26.401 107.499,26.635 107.499,27.098 107.501,27.1 107.501,28.001 v1(107.9,28.4) 107.501,28.799 107.501,56.501 v1(107.9,56.9) 107.501,57.299 107.501,85.001 v1(107.9,85.4) 107.501,85.799 107.501,113.501 v1(107.9,113.9) 107.501,114.299 107.501,125.199 ; 103.1,131.1 103.1,129.627 107.5,125.227 107.5,125.2
  BOT w0.102: v1(73.1,28.4) U1D.D14@73.5,28 ; v1(73.1,56.9) U1C.D14@73.5,56.5 ; v1(73.1,85.4) U1B.D14@73.5,85 ; v1(73.1,113.9) U1A.D14@73.5,113.5 ; v1(107.9,28.4) U1H.E14@108.3,28 ; v1(107.9,56.9) U1G.E14@108.3,56.5 ; v1(107.9,85.4) U1F.E14@108.3,85 ; v1(107.9,113.9) U1E.E14@108.3,113.5
IMIB135.S16: U1A.A14 U1B.A14 U1C.A14 U1D.A14 U1E.F11 U1F.F11 U1G.F11 U1H.F11 | length 254.7
  S3(V12/V2V5) w0.102: v1(70.7,113.9) 70.301,113.501 70.301,85.799 v1(70.7,85.4) 70.301,85.001 70.301,57.299 v1(70.7,56.9) 70.301,56.501 70.301,28.799 v1(70.7,28.4) 70.301,28.001 70.301,26.964 72.701,24.564 72.701,24.235 72.935,24.001 73.264,24.001 73.501,23.764 73.501,23.435 73.695,23.241 73.726,23.241 73.74,23.227 74.065,23.227 74.301,22.991 74.301,22.635 74.586,22.35 75.625,22.35 76.3,21.675 ; 76.325,21.65 76.3,21.675 ; 83.474,13.601 82.535,13.601 82.301,13.835 82.301,15.074 82.175,15.2 81.176,15.2 ; 83.475,13.601 95.236,13.601 95.635,13.999 96.535,13.999 97.335,14.799 98.189,14.799 99.099,15.71 99.099,15.749 99.351,16.001 99.39,16.001 104.299,20.91 104.299,21.364 104.536,21.6 104.865,21.6 105.106,21.842 105.106,22.165 105.342,22.4 105.665,22.4 105.899,22.635 105.899,22.964 106.135,23.199 106.464,23.199 106.699,23.435 106.699,23.764 106.935,23.999 107.264,23.999 107.499,24.235 107.499,24.564 107.735,24.799 108.064,24.799 108.301,25.037 108.301,25.365 109.899,26.964 109.899,30.401 v1(109.5,30.8) 109.9,31.2 109.9,58.9 v1(109.5,59.3) 109.9,59.7 109.9,87.4 v1(109.5,87.8) 109.9,88.2 109.9,115.9 v1(109.5,116.3) 109.9,116.7 109.9,124.962 105.499,129.363 105.499,131.3 ; 76.3,21.675 76.325,21.675 76.96,21.041 77.379,21.041 79.716,18.704 79.716,18.249 79.71,18.244 79.71,17.756 79.716,17.751 79.716,17.449 79.71,17.444 79.71,16.84 80.701,15.849 80.701,15.435 80.935,15.201 81.175,15.201 ; 81.175,15.201 81.176,15.2
  BOT w0.102: v1(70.7,28.4) U1D.A14@71.1,28 ; v1(70.7,56.9) U1C.A14@71.1,56.5 ; v1(70.7,85.4) U1B.A14@71.1,85 ; v1(70.7,113.9) U1A.A14@71.1,113.5 ; U1H.F11@109.1,30.4 v1(109.5,30.8) ; U1G.F11@109.1,58.9 v1(109.5,59.3) ; U1F.F11@109.1,87.4 v1(109.5,87.8) ; U1E.F11@109.1,115.9 v1(109.5,116.3)
IMIB135.S17: U1A.B14 U1B.B14 U1C.B14 U1D.B14 U1E.F13 U1F.F13 U1G.F13 U1H.F13 | length 251.7
  S3(V12/V2V5) w0.102: v1(71.5,113.9) 71.101,113.501 71.101,85.799 v1(71.5,85.4) 71.101,85.001 71.101,57.299 v1(71.5,56.9) 71.101,56.501 71.101,28.799 v1(71.5,28.4) 71.101,28.001 71.101,26.635 72.935,24.801 73.264,24.801 73.501,24.564 73.501,24.235 73.71,24.026 74.07,24.026 74.305,23.791 74.305,23.461 74.301,23.457 74.301,23.435 74.536,23.199 74.865,23.199 75.099,22.965 75.099,22.802 75.201,22.7 75.6,22.7 77.069,21.231 77.458,21.231 79.906,18.783 79.906,18.17 79.901,18.165 79.901,17.835 79.906,17.83 79.906,17.37 79.901,17.365 79.901,17.035 80.936,15.999 82.065,15.999 82.299,15.765 82.299,15.436 82.536,15.199 82.865,15.199 83.099,14.965 83.099,14.702 83.401,14.4 84,14.4 96.536,14.401 103.358,21.222 103.358,21.391 103.592,21.625 103.592,21.744 103.501,21.835 103.501,22.184 103.742,22.425 104.072,22.425 104.238,22.259 104.301,22.259 105.241,23.199 105.664,23.199 105.899,23.435 105.899,23.764 106.135,23.999 106.464,23.999 106.699,24.235 106.699,24.564 106.935,24.799 107.264,24.799 107.501,25.036 107.501,25.365 109.099,26.964 109.099,28.801 v1(108.7,29.2) 109.1,29.6 109.1,57.3 v1(108.7,57.7) 109.1,58.1 109.1,85.8 v1(108.7,86.2) 109.1,86.6 109.1,114.3 v1(108.7,114.7) 109.101,115.101 109.101,125.33 104.7,129.731 104.7,131.1
  BOT w0.102: v1(71.5,28.4) U1D.B14@71.9,28 ; v1(71.5,56.9) U1C.B14@71.9,56.5 ; v1(71.5,85.4) U1B.B14@71.9,85 ; v1(71.5,113.9) U1A.B14@71.9,113.5 ; v1(108.7,29.2) U1H.F13@109.1,28.8 ; v1(108.7,57.7) U1G.F13@109.1,57.3 ; v1(108.7,86.2) U1F.F13@109.1,85.8 ; v1(108.7,114.7) U1E.F13@109.1,114.3